# KiCad board Retro.kicad_pcb (continued)
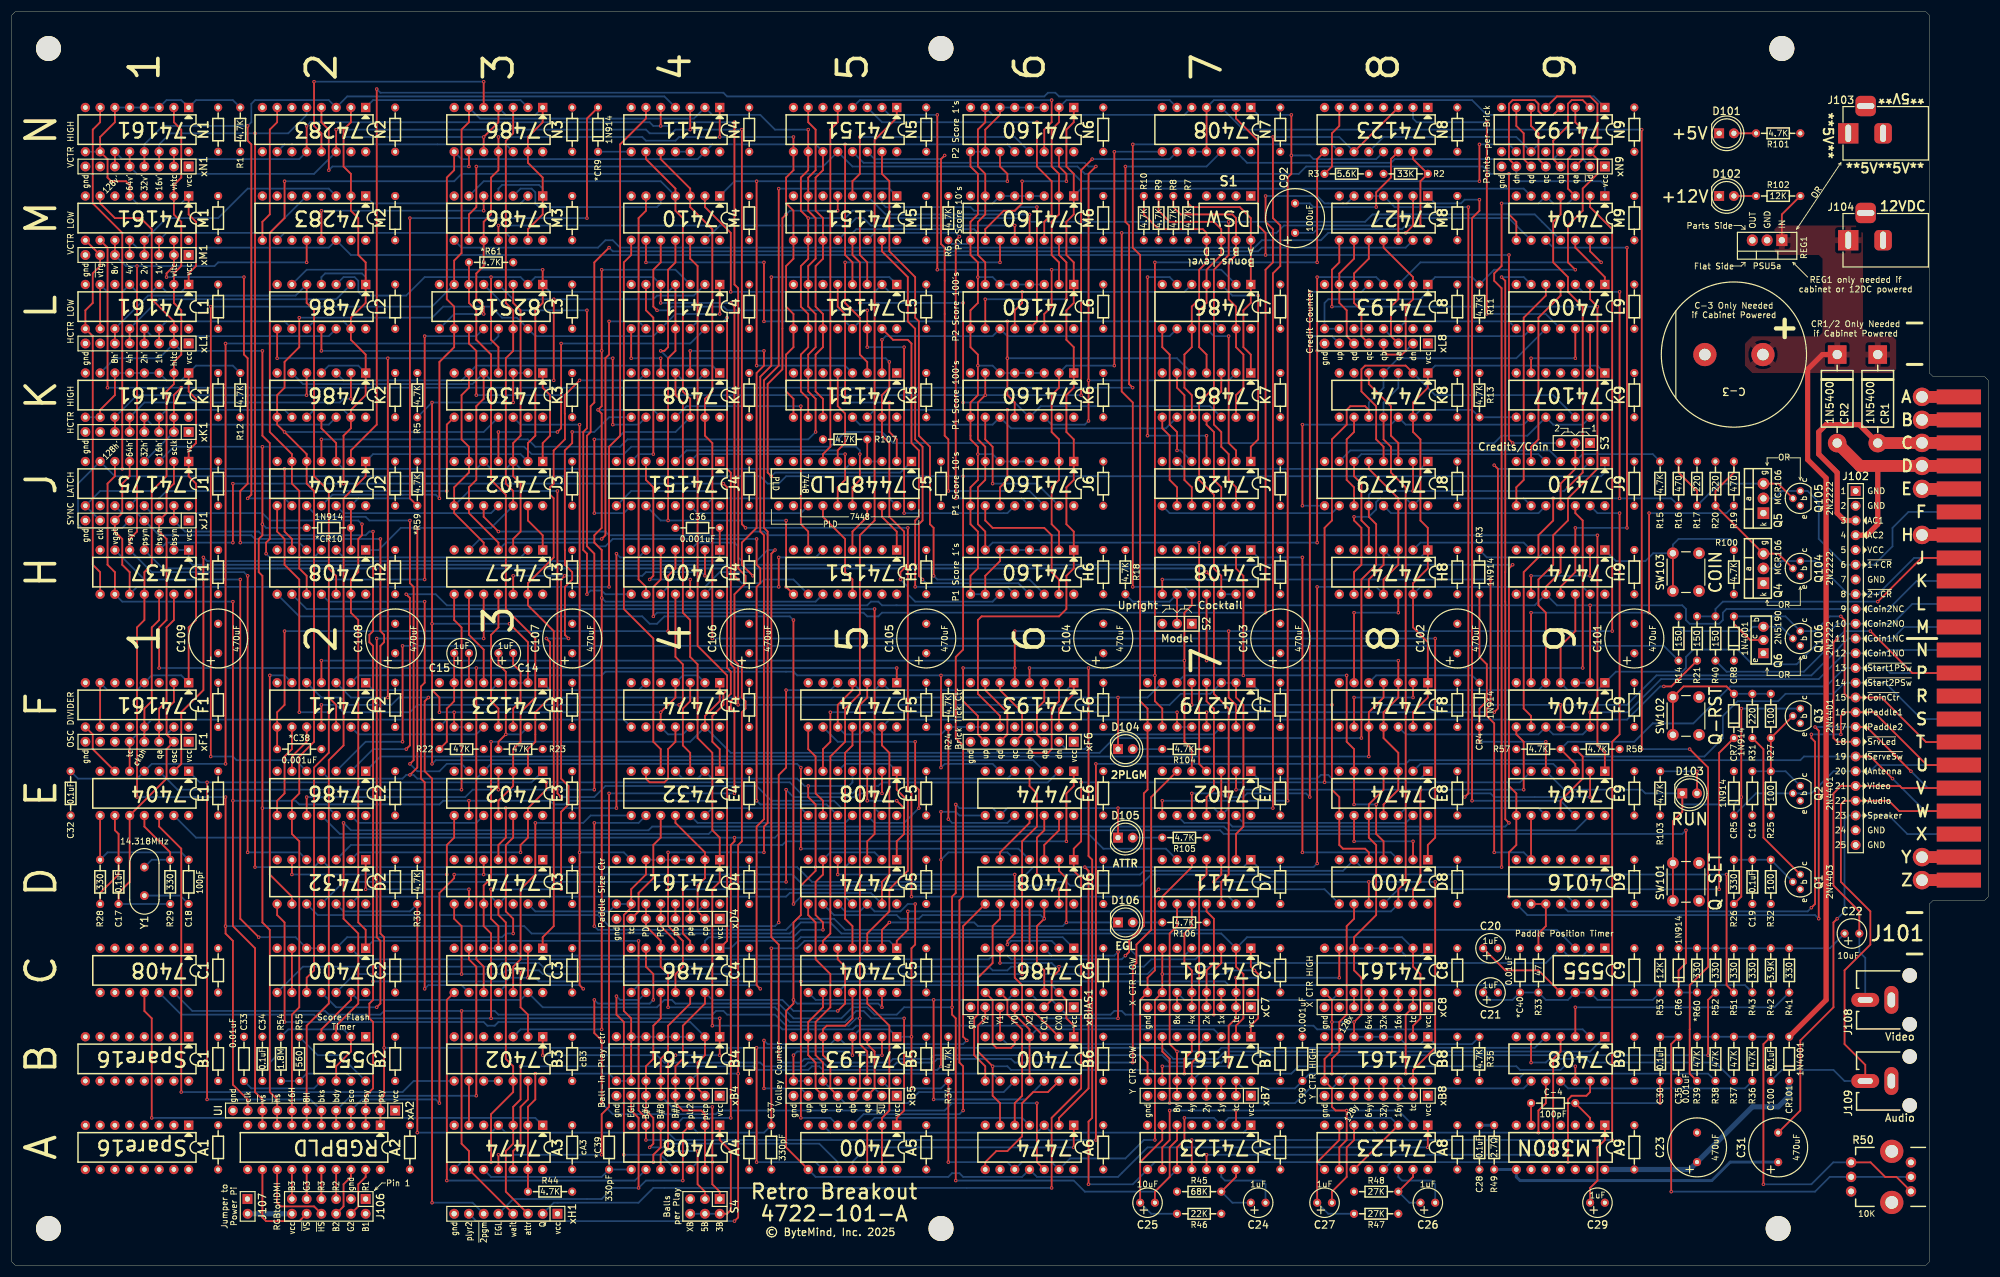
[diagram p0: board, top side]
## Library data of the parts
*C38-*C40 C14-C37 C92 C99-C109 C-3 C-4 cA1-cA9 cB1-cB9 cC1-cC9 cD2-cD9 cE1-cE9 cF1-cF9 cH1-cH9 cJ1-cJ9 cK1-cK9 cL1-cL9 cM1-cM6 cM8 cM9 cN1-cN9 = -: ki_fp_filters: CP_*
*CR9 *CR10 CR1 CR2 CR6 CR8 CR101 = -: ki_fp_filters: TO-???* *_Diode_* *SingleDiode* D_*
*R59-*R61 R1-R3 R5-R49 R51-R55 R57 R58 R100-R107 = -: ki_fp_filters: R_*
A2 = -: Description: ATF16V8B Programmed with BreakoutRGB for RGBtoHDMI
A3 A6 D3 D5 E6 E8 F4 F5 F8 H8 H9 K8 = -: Description: Dual D-Type Flip-Flop; Val: '74; ki_fp_filters: DIP*W7.62mm*
A4 B9 C1 D6 E5 H2 H7 K4 N7 = -: Description: Quad AND Gate; Val: '08; ki_fp_filters: DIP*W7.62mm* SO14*
A5 B6 C2 C3 D8 H4 L9 = -: Description: Quad NAND Gate; Val: '00; ki_fp_filters: DIP*W7.62mm* SO14*
A7 A8 F3 N8 = -: Description: Dual One-Shot; ki_fp_filters: DIP?16*
A9 = -: ki_fp_filters: DIP*W7.62mm*
B2 C9 = -: Description: Timer; ki_fp_filters: SOIC*3.9x4.9mm*P1.27mm*
B3 E3 E7 J3 = -: Description: Quad NOR Gate; Val: '02; ki_fp_filters: SO14* DIP*W7.62mm*
B4 B7 B8 C7 C8 D4 F1 K1 L1 M1 N1 = -: Description: 4-Bit Synchronous Binary Counter
B5 F6 L8 = -: Description: 4-Bit Up/Down Binary Counter
C4 C6 E2 K2 K7 L2 L7 M3 N3 = -: Description: Quad XOR Gate; Val: '86; ki_fp_filters: SO14* DIP*W7.62mm*
C5 E1 E9 F9 J2 M9 = -: Description: Hex Inverter; Val: '04; ki_fp_filters: DIP*W7.62mm* SSOP?14* TSSOP?14*
CR3-CR5 CR7 = -: ki_fp_filters: D*DO?35*
D2 E4 = -: Description: Quad OR; Val: '32; ki_fp_filters: SO14* DIP*W7.62mm*
D7 F2 L4 N4 = -: Description: Triple 3-Input AND; Val: '11; ki_fp_filters: DIP*W7.62mm*
D9 = -: Description: Quad Analog Switch; ki_fp_filters: DIP?14*
D101-D106 = -: ki_fp_filters: LED* LED_SMD:* LED_THT:*
F7 J8 = -: Description: Quad S/R Latch; Val: '279; ki_fp_filters: DIP*W7.62mm* SOIC*3.9x9.9mm*P1.27mm* SOIC*5.3x10.2mm*P1.27mm*
H1 = -: Description: Quad NAND Driver; Val: '37; ki_fp_filters: DIP*W7.62mm* SO14*
H3 M8 = -: Description: Triple 3-Input NOR; Val: '27; ki_fp_filters: DIP*W7.62mm*
H5 J4 K5 L5 M5 N5 = -: Description: 8-to-1 Mux
H6 J6 K6 L6 M6 N6 = -: Description: 4-Bit Synchronous Decade Counter
Hole1-Hole6 = -: Description: Mounting Hole without connection; ki_fp_filters: MountingHole*
J1 = -: Description: 4-Bit F-Type Flip-Flop; ki_fp_filters: DIP?16*
J5 = -: Description: 7-Segment Decoder either 7448 or ATF16V8B with Rep7448 Code
J7 = -: Description: Dual 4-Input NAND; Val: '20; ki_fp_filters: DIP?12*
J9 M4 = -: Description: Triple 3-Input NAND; Val: '10; ki_fp_filters: DIP*W7.62mm*
J103 J104 = -: ki_fp_filters: BarrelJack*
J106 = -: Description: Generic connector, single row, 01x03, script generated; ki_fp_filters: Connector*:*_1x??_*
J107 S2-S4 xA2 xB4 xB5 xB7 xB8 xBIAS1 xC7 xC8 xD4 xF1 xF6 xH1 xJ1 xK1 xL1 xL8 xM1 xN1 xN9 = -: ki_fp_filters: Connector*:*_1x??_*
J108 J109 = -: ki_fp_filters: Jack*
K3 = -: Description: 8-Input NAND; Val: '30; ki_fp_filters: DIP*W7.62mm*
K9 = -: Description: Dual JK Flip-Flop; Val: '107; ki_fp_filters: DIP*W7.62mm*
L3 = -: Description: 256x1 BiPolar Static RAM
M2 N2 = -: Description: 4-Bit Adder
N9 = -: Description: 4-Bit Up/Down Decade Counter
Q1 = -: Description: PNP transistor, collector/base/emitter
Q2 Q3 Q6 Q104-Q106 = -: Description: NPN transistor, collector/base/emitter
R50 = -: ki_fp_filters: Potentiometer*
REG1 = -: ki_fp_filters: TO?220*
S1 = -: ki_fp_filters: SW?DIP?x4*
Y1 = -: ki_fp_filters: Crystal*

## Footprints (pads in the part's own frame, mm; a bottom-side part is the same pattern mirrored in y, then rotated)
BarrelJack_2.1x5.5mm
  rect 3.5x3.5 hole 1x3: 1(0,0)
  rrect 3x3.5 hole 1x3: 2(-6,0)
  rrect 3.5x3.5 hole 3x1: 3(-3,-4.7)
C_Axial-0.3in
  round 1.4 hole 0.7: 1(-3.81,0)
  oval 1.4x1.4 hole 0.7: 2(3.81,0)
C_Disc-0.3in
  round 1.4 hole 0.7: 1(-3.81,0)
  oval 1.4x1.4 hole 0.7: 2(3.81,0)
Conn_Edge_2x22-0.156in
  rect 7.62x2.54 smd far side: 1(-5.08,41.605) 2(-5.08,37.643) 3(-5.08,33.68) 4(-5.08,29.718) 5(-5.08,25.756) 6(-5.08,21.793) 7(-5.08,17.831) 8(-5.08,13.868) 9(-5.08,9.906) 10(-5.08,5.944) 11(-5.08,1.981) 12(-5.08,-1.981) 13(-5.08,-5.944) 14(-5.08,-9.906) 15(-5.08,-13.868) 16(-5.08,-17.831) 17(-5.08,-21.793) 18(-5.08,-25.756) 19(-5.08,-29.718) 20(-5.08,-33.68) 21(-5.08,-37.643) 22(-5.08,-41.605)
  oval 3.175x3.175 hole 2: A(-11.43,41.605) B(-11.43,37.643) C(-11.43,33.68) D(-11.43,29.718) E(-11.43,25.756) H(-11.43,17.831) Y(-11.43,-37.643) Z(-11.43,-41.605)
  rect 7.62x2.54 smd: A(-5.08,41.605) B(-5.08,37.643) C(-5.08,33.68) D(-5.08,29.718) E(-5.08,25.756) F(-5.08,21.793) H(-5.08,17.831) J(-5.08,13.868) K(-5.08,9.906) L(-5.08,5.944) M(-5.08,1.981) N(-5.08,-1.981) P(-5.08,-5.944) R(-5.08,-9.906) S(-5.08,-13.868) T(-5.08,-17.831) U(-5.08,-21.793) V(-5.08,-25.756) W(-5.08,-29.718) X(-5.08,-33.68) Y(-5.08,-37.643) Z(-5.08,-41.605)
Conn_RNC-CUI-RCJ-045
  round 2.5 hole 2.5 unplated: (-0.85,4.22) (-0.85,-4.2)
  oval 2.4x4.8 hole 1.3x2.6: 1(-4,0)
  oval 4.8x2.4 hole 2.6x1: 2(-8.5,0)
CP_Radial-0.1in-R0.2in
  round 1.4 hole 0.7: 1(-1.27,0) 2(1.27,0)
CP_Radial-0.2in-R0.4in
  round 1.4 hole 0.7: 1(-2.54,0) 2(2.54,0)
CP_Radial-10mm-R35mm
  round 4 hole 2: 1(-5,0) 2(5,0)
Crystal_0.2in_V
  round 1.5 hole 0.8: 1(0,0) 2(4.9,0)
D_Axial-0.3in
  round 1.4 hole 0.7: 1(-3.81,0)
  oval 1.4x1.4 hole 0.7: 2(3.81,0)
DIP-8-0.3in
  rect 1.6x1.6 hole 0.8: 1(0,0)
  oval 1.6x1.6 hole 0.8: 2(0,-2.54) 3(0,-5.08) 4(0,-7.62) 5(7.62,-7.62) 6(7.62,-5.08) 7(7.62,-2.54) 8(7.62,0)
DIP-14-0.3in
  rect 1.6x1.6 hole 0.8: 1(0,0)
  oval 1.6x1.6 hole 0.8: 2(0,-2.54) 3(0,-5.08) 4(0,-7.62) 5(0,-10.16) 6(0,-12.7) 7(0,-15.24) 8(7.62,-15.24) 9(7.62,-12.7) 10(7.62,-10.16) 11(7.62,-7.62) 12(7.62,-5.08) 13(7.62,-2.54) 14(7.62,0)
DIP-16-0.3in
  rect 1.6x1.6 hole 0.8: 1(0,0)
  oval 1.6x1.6 hole 0.8: 2(0,-2.54) 3(0,-5.08) 4(0,-7.62) 5(0,-10.16) 6(0,-12.7) 7(0,-15.24) 8(0,-17.78) 9(7.62,-17.78) 10(7.62,-15.24) 11(7.62,-12.7) 12(7.62,-10.16) 13(7.62,-7.62) 14(7.62,-5.08) 15(7.62,-2.54) 16(7.62,0)
DIP-20-0.3in
  rect 1.6x1.6 hole 0.8: 1(0,0)
  oval 1.6x1.6 hole 0.8: 2(0,-2.54) 3(0,-5.08) 4(0,-7.62) 5(0,-10.16) 6(0,-12.7) 7(0,-15.24) 8(0,-17.78) 9(0,-20.32) 10(0,-22.86) 11(7.62,-22.86) 12(7.62,-20.32) 13(7.62,-17.78) 14(7.62,-15.24) 15(7.62,-12.7) 16(7.62,-10.16) 17(7.62,-7.62) 18(7.62,-5.08) 19(7.62,-2.54) 20(7.62,0)
DO-201_0.6in_H
  rect 3.2x3.2 hole 1.6: 1(-7.62,0)
  oval 3.2x3.2 hole 1.6: 2(7.62,0)
Head_1x2_0.1in
  rect 1.7x1.7 hole 0.9: 1(-0.035,0)
  oval 1.7x1.7 hole 0.9: 2(0,-2.54)
Head_1x3_0.1in
  rect 1.7x1.7 hole 0.9: 1(0,0)
  oval 1.7x1.7 hole 0.9: 2(0,-2.54) 3(0,-5.08)
Head_1x8-0.1in
  rect 1.7x1.7 hole 0.9: 1(0,0)
  oval 1.7x1.7 hole 0.9: 2(0,-2.54) 3(0,-5.08) 4(0,-7.62) 5(0,-10.16) 6(0,-12.7) 7(0,-15.24) 8(0,-17.78)
Head_1x12-0.1in
  rect 1.7x1.7 hole 0.9: 1(0,0)
  oval 1.7x1.7 hole 0.9: 2(0,-2.54) 3(0,-5.08) 4(0,-7.62) 5(0,-10.16) 6(0,-12.7) 7(0,-15.24) 8(0,-17.78) 9(0,-20.32) 10(0,-22.86) 11(0,-25.4) 12(0,-27.94)
Head_1x25-0.1in
  rect 1.7x1.7 hole 1: 1(0,0)
  oval 1.7x1.7 hole 1: 2(0,-2.54) 3(0,-5.08) 4(0,-7.62) 5(0,-10.16) 6(0,-12.7) 7(0,-15.24) 8(0,-17.78) 9(0,-20.32) 10(0,-22.86) 11(0,-25.4) 12(0,-27.94) 13(0,-30.48) 14(0,-33.02) 15(0,-35.56) 16(0,-38.1) 17(0,-40.64) 18(0,-43.18) 19(0,-45.72) 20(0,-48.26) 21(0,-50.8) 22(0,-53.34) 23(0,-55.88) 24(0,-58.42) 25(0,-60.96)
Head_2x3-0.1in
  rect 1.7x1.7 hole 0.9: 1(0,0)
  oval 1.7x1.7 hole 0.9: 2(2.54,0) 3(0,-2.54) 4(2.54,-2.54) 5(0,-5.08) 6(2.54,-5.08)
Head_2x6-0.1in
  rect 1.7x1.7 hole 0.9: 1(0,0)
  oval 1.7x1.7 hole 0.9: 2(2.54,0) 3(0,-2.54) 4(2.54,-2.54) 5(0,-5.08) 6(2.54,-5.08) 7(0,-7.62) 8(2.54,-7.62) 9(0,-10.16) 10(2.54,-10.16) 11(0,-12.7) 12(2.54,-12.7)
Hole_4.3mm-M4
  round 4.3 hole 4.3 unplated: (0,0)
LED_D5.0mm_Green
  rect 1.7x1.7 hole 0.9: 1(-1.27,0)
  round 1.7 hole 0.9: 2(1.27,0)
LED_D5.0mm_Red
  rect 1.7x1.7 hole 0.9: 1(-1.27,0)
  round 1.7 hole 0.9: 2(1.27,0)
R_Axial-0.3in
  round 1.4 hole 0.7: 1(-3.81,0)
  oval 1.4x1.4 hole 0.7: 2(3.81,0)
R_POT-Bourns-PTV09A-1-V
  round 4 hole 2.2 unplated: (3.3,4.4) (3.3,-4.4)
  round 1.8 hole 1: 1(0,-2.5) 1(10.3,2.5) 2(0,0) 2(10.3,0) 3(0,2.5) 3(10.3,-2.5)
SW_DIP-SPSTx4
  rect 1.6x1.6 hole 0.8: 1(0,0)
  oval 1.6x1.6 hole 0.8: 2(0,-2.54) 3(0,-5.08) 4(0,-7.62) 5(7.62,-7.62) 6(7.62,-5.08) 7(7.62,-2.54) 8(7.62,0)
SW_TACT-6.5x4.5mm
  round 2 hole 1.1: 1(-3.25,2.25) 1(3.25,2.25) 2(-3.25,-2.25) 2(3.25,-2.25)
TO-92
  round 1.3 hole 0.75: 1(0,0) 2(1.27,1.27) 3(2.54,0)
TO-126-3_V
  rect 1.71x1.8 hole 1: 1(0,0)
  oval 1.71x1.8 hole 1: 2(2.28,0) 3(4.56,0)
TO-220-3_V
  rect 1.905x2 hole 1.1: 1(0,0)
  oval 1.905x2 hole 1.1: 2(2.54,0) 3(5.08,0)
TO-225AA-3_V
  rect 2x2 hole 1.1: 1(0,0)
  oval 2x2 hole 1.1: 2(2.54,0) 3(5.08,0)

## Nets
1V': M1.14 M2.5 xM1.3
2V: M3.3 M4.5
2V': M1.13 M2.3 xM1.4
4V: J4.10 K4.12 M3.6 M4.4 N4.9
4V': M1.12 M2.14 N7.2 S3.3 xM1.5
8V: D8.1 J4.9 K4.13 M3.11 M4.3 N4.10
8V': D2.5 H1.5 M1.11 M2.12 xM1.6
16V: J2.11 K5.11 L3.10 L5.11 M5.11 N3.8 N4.13 N5.11
16V': A6.2 D2.4 D7.1 H8.3 H8.11 J8.5 J8.14 N1.14 N2.5 xN1.3
32V: D6.4 E2.4 E3.5 H2.1 J3.12 L3.14 N3.3
32V': J2.9 N1.13 N2.3 N4.4 xN1.4
64V: E2.5 H7.12 H7.13 K5.10 L3.7 L5.10 M5.10 M9.11 N3.6 N4.2 N5.10
64V1: E8.3 E8.11 F8.3 F8.11 H7.11
64V': D7.13 N1.12 N2.14 N4.3 xN1.5
128V: K5.9 L3.9 L5.9 M3.10 M5.9 N3.11 N4.1 N5.9
128V': D7.2 F7.2 F7.3 N1.11 N2.12 N4.5 xN1.6
/vbus: *R60.1 C22.1 CR6.2 R41.2 R42.2 R43.1 R51.1 R52.2
GND: *C38.2 *C39.2 *C40.2 A1.8 A2.10 A3.7 A4.7 A5.7 A6.7 A7.8 A8.8 A9.3 A9.4 A9.5 A9.7 A9.10 A9.11 A9.12 B1.8 B2.1 B3.7 B4.8 B5.8 B6.7 B7.6 B7.8 B8.8 B9.7 C1.7 C2.7 C3.7 C4.7 C5.7 C6.7 C7.6 C7.8 C8.8 C9.1 C16.2 C20.2 C21.2 C23.2 C28.2 C29.2 C32.2 C33.2 C34.2 C35.2 C36.2 C37.2 C99.2 C101.2 C102.2 C103.2 C104.2 C105.2 C106.2 C107.2 C108.2 C109.2 C-3.2 cA1.2 cA2.2 cA3.2 cA4.2 cA5.2 cA6.2 cA7.2 cA8.2 cA9.2 cB1.2 cB2.2 cB3.2 cB4.2 cB5.2 cB6.2 cB7.2 cB8.2 cB9.2 cC1.2 cC2.2 cC3.2 cC4.2 cC5.2 cC6.2 cC7.2 cC8.2 cC9.2 cD2.2 cD3.2 cD4.2 cD5.2 cD6.2 cD7.2 cD8.2 cD9.2 cE1.2 cE2.2 cE3.2 cE4.2 cE5.2 cE6.2 cE7.2 cE8.2 cE9.2 cF1.2 cF2.2 cF3.2 cF4.2 cF5.2 cF6.2 cF7.2 cF8.2 cF9.2 cH1.2 cH2.2 cH3.2 cH4.2 cH5.2 cH6.2 cH7.2 cH8.2 cH9.2 cJ1.2 cJ2.2 cJ3.2 cJ4.2 cJ5.2 cJ6.2 cJ7.2 cJ8.2 cJ9.2 cK1.2 cK2.2 cK3.2 cK4.2 cK5.2 cK6.2 cK7.2 cK8.2 cK9.2 cL1.2 cL2.2 cL3.2 cL4.2 cL5.2 cL6.2 cL7.2 cL8.2 cL9.2 cM1.2 cM2.2 cM3.2 cM4.2 cM5.2 cM6.2 cM8.2 cM9.2 cN1.2 cN2.2 cN3.2 cN4.2 cN5.2 cN6.2 cN7.2 cN8.2 cN9.2 CR5.2 D2.7 D3.1 D3.2 D3.3 D3.7 D3.12 D4.8 D5.7 D6.7 D7.7 D8.7 D9.7 D101.1 D102.1 E1.7 E2.7 E3.7 E4.7 E5.7 E6.7 E7.7 E8.7 E9.7 F1.3 F1.5 F1.6 F1.8 F2.7 F3.8 F4.7 F5.7 F6.8 F6.14 F7.8 F8.7 F9.7 H1.7 H2.7 H3.7 H4.7 H5.2 H5.3 H5.8 H5.12 H5.14 H5.15 H6.8 H7.7 H8.7 H9.7 J1.8 J2.7 J3.7 J4.1 J4.2 J4.8 J4.12 J4.13 J5.8 J5.10 J6.8 J7.7 J8.8 J9.7 J101.1 J101.2 J101.7 J101.21 J101.22 J101.A J101.B J101.H J101.Y J101.Z J102.1 J102.2 J102.7 J102.24 J102.25 J103.2 J104.2 J106.1 J106.2 J106.3 J108.1 J109.1 K1.8 K2.7 K3.7 K4.7 K5.1 K5.8 K5.12 K6.8 K7.7 K8.7 K9.4 K9.7 K9.11 L1.4 L1.6 L1.8 L2.7 L3.8 L4.7 L5.8 L5.12 L6.8 L7.7 L8.8 L8.15 L9.7 M1.3 M1.4 M1.6 M1.8 M2.6 M2.7 M2.8 M2.11 M2.15 M3.7 M4.7 M5.8 M6.8 M8.7 M9.7 N1.8 N2.6 N2.8 N2.11 N2.15 N3.7 N4.7 N5.8 N6.8 N7.7 N8.1 N8.8 N9.8 N9.9 Q2.1 Q3.1 Q4.1 Q5.1 Q6.1 Q104.1 Q105.1 Q106.1 R17.2 R20.2 R25.2 R50.1 R53.2 REG1.2 S1.1 S1.2 S1.3 S1.4 S2.3 S4.5 SW101.2 SW102.2 SW103.2 xA2.12 xB4.8 xB5.8 xB7.8 xB8.8 xBIAS1.8 xC7.8 xC8.8 xD4.8 xF1.8 xF6.8 xH1.8 xJ1.8 xK1.8 xL1.8 xL8.8 xM1.8 xN1.8 xN9.8
VCC: *R59.2 *R61.1 A1.16 A2.20 A3.14 A4.14 A5.14 A6.14 A7.16 A8.16 B1.16 B2.8 B3.14 B4.16 B5.16 B6.14 B7.16 B8.16 B9.14 C1.14 C2.14 C3.14 C4.14 C5.14 C6.14 C7.16 C8.16 C9.8 C19.1 C101.1 C102.1 C103.1 C104.1 C105.1 C106.1 C107.1 C108.1 C109.1 cA1.1 cA2.1 cA3.1 cA4.1 cA5.1 cA6.1 cA7.1 cA8.1 cB1.1 cB2.1 cB3.1 cB4.1 cB5.1 cB6.1 cB7.1 cB8.1 cB9.1 cC1.1 cC2.1 cC3.1 cC4.1 cC5.1 cC6.1 cC7.1 cC8.1 cC9.1 cD2.1 cD3.1 cD4.1 cD5.1 cD6.1 cD7.1 cD8.1 cD9.1 cE1.1 cE2.1 cE3.1 cE4.1 cE5.1 cE6.1 cE7.1 cE8.1 cE9.1 cF1.1 cF2.1 cF3.1 cF4.1 cF5.1 cF6.1 cF7.1 cF8.1 cF9.1 cH1.1 cH2.1 cH3.1 cH4.1 cH5.1 cH6.1 cH7.1 cH8.1 cH9.1 cJ1.1 cJ2.1 cJ3.1 cJ4.1 cJ5.1 cJ6.1 cJ7.1 cJ8.1 cJ9.1 cK1.1 cK2.1 cK3.1 cK4.1 cK5.1 cK6.1 cK7.1 cK8.1 cK9.1 cL1.1 cL2.1 cL3.1 cL4.1 cL5.1 cL6.1 cL7.1 cL8.1 cL9.1 cM1.1 cM2.1 cM3.1 cM4.1 cM5.1 cM6.1 cM8.1 cM9.1 cN1.1 cN2.1 cN3.1 cN4.1 cN5.1 cN6.1 cN7.1 cN8.1 cN9.1 CR8.1 D2.14 D3.14 D4.16 D5.14 D6.14 D7.14 D8.14 D9.14 E1.14 E2.14 E3.14 E4.14 E5.14 E6.14 E7.14 E8.14 E9.14 F1.16 F2.14 F3.16 F4.14 F5.14 F6.16 F7.16 F8.14 F9.14 H1.14 H2.14 H3.14 H4.14 H5.16 H6.16 H7.14 H8.14 H9.14 J1.16 J2.14 J3.14 J4.16 J5.20 J6.16 J7.14 J8.16 J9.14 J101.5 J101.E J102.5 J103.1 J107.1 K1.16 K2.14 K3.14 K4.14 K5.16 K6.16 K7.14 K8.14 K9.14 L1.16 L2.14 L3.16 L4.14 L5.16 L6.16 L7.14 L8.16 L9.14 M1.16 M2.16 M3.14 M4.14 M5.16 M6.16 M8.14 M9.14 N1.16 N2.16 N3.14 N4.14 N5.16 N6.16 N7.14 N8.16 N9.16 Q1.1 R1.2 R2.1 R3.1 R5.2 R6.2 R7.1 R8.1 R9.1 R10.1 R11.2 R12.2 R13.2 R15.1 R18.1 R22.1 R23.1 R24.2 R30.1 R32.1 R34.2 R35.2 R42.1 R44.2 R45.1 R46.1 R47.1 R48.1 R55.1 R57.1 R58.1 R100.1 R101.1 R103.1 R104.1 R105.1 R106.1 R107.1 REG1.3 xA2.1 xB4.1 xB5.1 xB7.1 xB8.1 xBIAS1.1 xC7.1 xC8.1 xD4.1 xF1.1 xF6.1 xH1.1 xJ1.1 xK1.1 xL1.1 xL8.1 xM1.1 xN1.1 xN9.1
1_OR_2_CREDIT: F9.9 L9.3 R16.1
1H: F2.3 K4.9 L2.8
1H': L1.14 L2.9 xL1.3
1x: C7.14 xC7.3
1y: B7.14 xB7.3
2_CR_START: D8.2 E8.9
2_CREDIT: F9.6 R19.1
2H: B3.3 H5.11 K4.10 L2.11 L4.3
2H': L1.13 L2.12 xL1.4
2x: C7.13 D7.11 xC7.4
2y: B7.13 xB7.4
4H: H5.10 K3.4 L2.3 L3.2 L4.5
4H': L1.12 L2.2 xL1.5
4x: C7.12 D7.10 xC7.5
4y: B7.12 B9.12 D7.4 xB7.5
8H: A2.6 H5.9 J2.1 J3.2 J4.11 L2.6 L3.1 L4.4 L4.11 xA2.7
8H': H2.12 L1.11 L2.5 xL1.6
8x: C7.11 C8.10 xC7.6
8y: B7.11 B9.5 D7.9 xB7.6
16H: A2.7 E2.9 J2.5 K2.8 K3.11 L3.15 L4.1 L4.10 xA2.8
16H': K1.14 K2.9 xK1.3
16x: C8.14 xC8.3
16y: B8.14 B9.9 xB8.3
32H: H3.3 J2.3 J3.3 J3.5 J5.5 K2.11 L3.3
32H': K1.13 K2.12 xK1.4
32x: C8.13 xC8.4
32y: B8.13 xB8.4
64H: E5.13 H3.5 J3.6 J3.8 K2.3 K3.6 K4.1
64H': K1.12 K2.2 xK1.5
64x: C8.12 xC8.5
64y: B8.12 xB8.5
128H: E5.10 H3.4 J3.9 K2.6 K3.5 L3.4 L4.2
128H': K1.11 K2.5 xK1.6
128x: C8.11 xC8.6
128y: B8.11 xB8.6
/bp_hit: A5.2 A5.13 C5.12
/LH_SIDE: H3.1 J3.13
/paddle: B9.3 R41.1
/PLAYFIELD: H4.3 R52.1
/RH_SIDE: H2.3 H3.2
/Sheet2/abus: C100.2 R36.1 R37.1 R38.1 R39.1 R50.3
/Sheet2/btb_hit: C5.4 F5.11
/Sheet2/dispA: J5.7 N5.5
/Sheet2/dispB: J5.1 M5.5
/Sheet2/dispC: J5.2 L5.5
/Sheet2/dispD: J5.6 K5.5
/Sheet2/large_pad: E5.9 F5.8
/Sheet2/P2COND': D9.6 E9.9 H7.8
/Sheet2/pad_cep: C3.11 D4.7 K3.12
/Sheet2/pad_v1: D9.9 D9.10 R33.1
/Sheet2/pad_v2: *C40.1 C9.6 C9.7 C21.1 R33.2 R53.1
/Sheet2/PLNR: E2.10 E3.4 M8.13
/Sheet2/SCEN: H4.5 M8.6
/Sheet2/seg_a: H5.4 J5.17
/Sheet2/seg_b: J4.4 J5.16
/Sheet2/seg_c: J4.3 J5.15
/Sheet2/seg_d: H5.13 J5.14
/Sheet2/seg_e: J4.14 J5.13
/Sheet2/seg_f: J4.15 J5.19
/Sheet2/seg_g: H5.1 J5.18
/Sheet2/segs: F2.11 H4.11
/Sheet2/segs_h: H4.12 J4.6
/Sheet2/segs_v: H4.13 H5.6
/Sheet2/SFL: B2.3 E9.13
/Sheet2/small_pad: E5.12 F5.9
/Sheet2/tick_pace: A7.12 J9.13
/Sheet2/~{mod_up}: H7.9 R18.2 S2.2
/Sheet2/~{p2cond}: D9.12 E9.8 H1.1 H1.2
/Sheet2/~{PAD_EN}: C2.8 C9.2 C9.4
/Sheet2/~{SCI}: D3.4 H4.6
/Sheet2/~{SFL}: E9.12 M8.1
/Sheet2/~{TOP}: E9.2 M8.4 M8.5
/Sheet3/coin#1: F8.6 H8.12
/Sheet3/coin#2: H8.2 H9.6
/Sheet3/COIN(credit): E7.9 L9.6
/Sheet3/~{BG1}: J8.11 K8.9
/Sheet3/~{BG2}: J8.3 K8.5
/Sheet3/~{q_off}: C16.1 Q2.3 Q3.2 R25.1 R27.2
/Sheet3/~{q_on}: C19.2 Q1.2 R26.1 R32.2
/Sheet3/~{q_rst}: CR7.2 R27.1 R31.2 SW102.1
/Sheet4/V_UNREG: C-3.1 CR1.1 CR2.1 CR101.2 J104.1 R102.1 REG1.1
/Sheet5/rgbB2: A2.19 J106.4
/Sheet5/rgbB3: A2.14 J106.11
/Sheet5/rgbG2: A2.18 J106.6
/Sheet5/rgbG3: A2.15 J106.9
/Sheet5/rgbR2: A2.17 J106.5
/Sheet5/rgbR3: A2.16 J106.7
/Sheet5/~{rgbHSync}: A2.13 J106.8
/Sheet5/~{rgbVSync}: A2.12 J106.10
/~{boundary}: C3.4 C3.5 H3.12 H4.2
/~{BSYNC}: J1.14
/~{PSYNC}: J1.10
A1: H6.14 N5.15
A2: N5.4 N6.14
AC1: CR1.2 J101.3 J101.C J102.3
AC2: CR2.2 J101.4 J101.D J102.4
Antenna: CR5.1 J101.17 J102.20 Q2.2
ATTRACT: A3.3 D6.5 E6.8 xH1.3
Audio: C100.1 J101.W J102.22 J109.2
B1: H6.13 M5.15
B2: M5.4 N6.13
BALL: A4.4 D7.6 E1.13
BALL#A: A4.2 A4.13 B4.13 C4.13 C5.5 xB4.4
BALL#B: A4.12 B4.12 C4.12 S4.1 xB4.5
BALL#C: B4.11 C4.10 S4.3 xB4.6
BALL_DISPLAY: A4.6 A5.10 C2.1 H2.13 J1.13
bonus_credit: E7.8 N7.1 N8.13
boundary: A2.4 C3.6 xA2.5
bpc_qa: N9.3 xN9.3
bpc_qb: N9.2 xN9.4
bpc_qc: N9.6 xN9.5
bpc_qd: N9.7 xN9.6
BRICK_DISPLAY: A2.5 E1.1 E3.1 xA2.6
BRICK_HIT: D5.3 E6.5 H2.9
BSYNC: A2.2 A5.5 C3.2 J1.15 R43.2 xA2.3 xJ1.2
C1: H6.12 L5.15
C2: L5.4 N6.12
can_hit_brick: C2.2 F7.9 N8.10
cc_dn: H7.3 L8.4 xL8.2
cc_qa: L8.3 M9.13 xL8.3
cc_qb: L8.2 M8.11 xL8.4
cc_qc: L8.6 M8.10 xL8.5
cc_qd: L8.7 M8.9 xL8.6
cc_up: E7.10 L8.5 xL8.7
CKBH: E6.3 F1.13 H1.12 xF1.4
CLOCK: B7.2 B8.2 C7.2 C8.2 H1.11 J1.9 K1.2 L1.2 M1.2 N1.2 xA2.11 xJ1.7
Coin1NC: E2.1 F8.4 F8.10 F9.11 F9.12 J101.11 J102.11
Coin1NO: F8.12 F9.10 F9.13 J101.12 J102.12
Coin2NC: E2.2 F9.2 F9.3 H9.4 H9.10 J101.9 J102.9
Coin2NO: F9.1 F9.4 H9.12 J101.10 J102.10
COUNT: M9.1 N7.4 N7.10 N7.11 N9.4 xN9.7
COUNT_1: H6.2 J6.2 K6.2 N7.8
COUNT_2: L6.2 M6.2 N6.2 N7.6
CX0: C6.11 C7.3 xBIAS1.2
CX1: C6.6 C7.4 xBIAS1.3
D1: H6.11 K5.15 M4.11
D2: K5.4 M4.1 N6.11
DN: C4.3 D6.13
E1: J6.14 N5.14
E2: M6.14 N5.3
EGL: A4.3 C5.1 C37.1 D8.12 K8.3 K8.11 xB4.7 xH1.5
F1: J6.13 M5.14
F2: M5.3 M6.13
FPD1: F3.5 H3.9
FPD2: F3.13 H3.11
FREE_GAME_TONE: N7.3 R39.2
G1: J6.12 L5.14 M4.10
G2: L5.3 M4.13 M6.12
H1: J6.11 K5.14
H2: K5.3 M6.11
hl_tc: H2.4 K1.7 L1.15 M1.7 xL1.2
HSYNC: C3.10 F5.1 J1.2 xJ1.3
I1: K6.14 K7.2 N5.13
I2: L6.14 L7.2 N5.2
J1: K6.13 K7.12 M5.13
J2: L6.13 L7.12 M5.2
K1: K6.12 K7.5 L5.13 M4.9
K2: L5.2 L6.12 L7.5 M4.2
L1: K5.13 K6.11 K7.9
L2: K5.2 L6.11 L7.9
osc: C17.2 E1.10 F1.2 R29.1 xF1.2
osc_qa: F1.14 H1.13 xF1.3
osc_tc: E1.5 F1.15 xF1.5
P1: L1.1 L1.3 L1.5 L1.7 L1.10 M1.1 M1.5 N1.1 N1.3 N1.4 N1.5 N1.6 N1.9 N1.10 R1.1
P2COND: C4.1 C6.1 H1.3 K2.1 K2.4 K2.10 K2.13 L2.1 L2.4 L2.10 L2.13 M2.2 M3.1 M3.4 M3.13 N2.2 N3.1 N3.4 N3.10 N3.13
P5: F3.2 F3.3 F3.10 F3.11 F4.2 F4.4 F4.10 F4.12 K3.2 K3.3 R5.1
P6: H6.3 H6.4 H6.5 H6.6 H6.9 H6.10 J6.3 J6.4 J6.5 J6.6 J6.9 K6.3 K6.4 K6.5 K6.6 K6.9 L6.3 L6.4 L6.5 L6.6 L6.9 M6.3 M6.4 M6.5 M6.6 M6.9 N6.3 N6.4 N6.5 N6.6 N6.9 N6.10 R6.1
P11: L8.1 L8.9 L8.10 N9.5 N9.15 R11.1
P12: F1.1 F1.4 F1.7 F1.10 J1.1 K1.1 K1.3 K1.4 K1.5 K1.6 K1.9 K1.10 R12.1
P13: F8.1 F8.13 H8.1 H8.4 H8.10 H8.13 H9.13 K8.1 K8.13 K9.1 K9.8 R13.1
P24: E6.10 F5.2 F5.4 F5.10 F5.12 F6.1 F6.9 F6.10 F6.15 R24.1
P34: A6.10 A6.13 B5.1 B5.4 B5.9 B5.10 B5.15 B7.1 C7.1 C7.7 C7.10 D5.10 D5.12 R34.1
P35: A7.2 A7.10 A8.2 A8.10 B8.1 B8.3 B8.4 B8.5 B8.6 B8.9 C8.1 C8.3 C8.4 C8.5 C8.6 C8.9 E8.4 E8.10 R35.1
P44: A3.2 A3.13 B4.3 B4.4 B4.5 B4.6 B4.7 B4.9 B4.10 D3.13 D4.3 D4.4 D4.5 D4.6 D4.9 D4.10 R44.1
pad_cp: D4.2 E4.11 xD4.2
pad_pa: D4.14 xD4.3
pad_pb: D4.13 xD4.4
pad_tc: D4.15 E4.10 xD4.7
Paddle1: D9.11 J101.U J102.16
Paddle2: D9.8 J101.18 J102.17
PC: C4.4 D4.12 xD4.5
PD: A5.1 C4.5 D4.11 xD4.6
PLAY_CP: B4.2 D2.8 xB4.2
PLAYER_2: B4.14 E7.5 F2.4 H7.10 L6.7 M5.12 M6.7 M9.9 N6.7 N7.5 xB4.3 xH1.7
PSYNC: A2.1 A5.9 B9.1 J1.11 xA2.2 xJ1.4
Q: D6.1 E9.6 K8.4 K8.10 L9.10 xH1.2
RAM_PLAYER_1: E7.4 H6.7 J6.7 K6.7 L3.11 N7.9
SCLOCK: J1.4 K1.15 M1.10 N7.12 xK1.2
SCORE: A2.3 D3.5 R51.2 xA2.4
SERVE_WAIT: A3.9 B5.14 C1.13 F5.3 xH1.4
SET_BRICKS: D2.1 D3.9
Speaker: C31.2 J101.20 J102.23
START_GAME: D8.6 E6.12 M9.3 M9.5 N9.14
tick_dn: A7.9 A8.9 F6.4 J9.12 xF6.2
tick_qa: F6.3 xF6.3
tick_qb: F6.2 xF6.4
tick_qc: F6.6 xF6.5
tick_qd: F6.7 xF6.6
tick_up: F6.5 F7.15 M9.2 xF6.7
TOP_BOUND: C3.1 H3.13 K4.6
V_AMP: A9.14 C23.1 cA9.1 CR101.1
vgate: H1.10 J1.5 N4.6 xJ1.6
vh_tc: N1.15 xN1.2
Video: C22.2 J101.V J102.21 J108.2
vl_tc: H2.5 M1.15 xM1.2
vol_ctr_qa: B5.3 xB5.3
vol_ctr_qb: B5.2 xB5.4
vol_ctr_qc: B5.6 B6.10 C5.11 xB5.5
vol_ctr_qd: B5.7 B6.9 C5.9 xB5.6
vol_ctr_up: B5.5 D6.8 xB5.7
VSLOW: B6.12 C5.8 C6.10
VSYNC: A5.4 J1.7 J9.1 xJ1.5
X0: B6.1 C5.10 C6.13
X1: B6.3 C6.5
X2: B6.2 C6.3 C7.5 xBIAS1.4
xh_tc: B7.7 B8.10 C8.15 xC8.2
xl_tc: B7.10 C7.15 C8.7 xC7.2
Y0: B6.4 B6.11 B7.3 xBIAS1.5
Y1: B6.6 B7.4 xBIAS1.6
Y2: A6.6 B7.5 xBIAS1.7
yh_tc: B8.15 D7.3 D8.10 xB8.2
yl_tc: B7.15 B8.7 C99.1 D8.9 xB7.2
~{1+Credit}: J101.6 J102.6 Q5.2 Q105.3
~{1_CR_START}: D8.4 E8.6 F7.6 H7.2
~{1_OR_2_CREDIT}: D8.13 E7.2 F9.8
~{2+Credits}: J101.8 J102.8 Q4.2 Q104.3
~{2_CR_START}: D8.5 E8.8 F7.5
~{2_CREDIT}: F7.1 F9.5 L9.2 M8.8
~{2_PLGM}: D104.1 F2.5 F7.7 xH1.6
~{8H}: J2.2 N9.1
~{16H}: H2.10 J2.6 N9.10
~{16V}: E3.6 J2.10
~{32H}: J2.4 K5.7 L5.7 M5.7 N5.7
~{64V}: H9.3 H9.11 M9.10
~{ATTRACT}: A7.3 A7.11 A8.3 A8.11 B2.4 C2.13 C3.13 D105.1 E6.9 E7.3 E7.12 N8.3 N8.11
~{BP_HIT}: A5.8 A6.11 A8.1 C5.13 D5.4 E4.2 E4.4 E5.4
~{bpc_ld}: N8.12 N9.11 xN9.2
~{BRICK_DISPLAY}: C36.1 E1.2 H4.1
~{BRICK_HIT}: E6.6 F2.2 F7.10 N8.9
~{BTB_HIT}: C3.3 C5.3 E5.1 E5.5
~{COIN#1}: CR4.1 F8.5
~{COIN#2}: CR3.1 H9.5
~{CoinCtr}: CR8.2 J101.T J102.15 Q6.2 Q106.3
~{EGL}: C5.2 D6.2 D106.1
~{FPD1}: F2.13 F3.12
~{FPD2}: F2.1 F3.4
~{HSYNC}: *CR10.1 A2.8 E2.12 J1.3 K9.10 K9.13 xA2.9
~{PAD}: J1.12 K3.8
~{PLAYER_2}: M3.9 M9.8 N5.12
~{Q}: CR3.2 CR4.2 D103.1 E9.5 Q3.3 R26.2 SW101.1
~{SBD}: D2.11 E5.2
~{SERVE_WAIT}: A3.8 A4.5 B3.12 D2.13 D3.11 D5.13 F5.13 R21.2
~{ServeSw}: A3.4 D2.12 J101.19 J102.19 R30.2
~{SET_BRICKS}: B3.2 C2.12 D3.8 E6.4
~{SrvLeds}: J101.J R21.1 R40.2
~{SrvLed}: J101.P J102.18 R40.1
~{Start1PSw}: E9.3 J101.13 J102.13 R57.2
~{Start2PSw}: E9.11 J101.15 J102.14 R58.2
~{START_GAME_1}: A4.10 B4.1 C1.12 D3.10 F4.1 F4.13 J8.2 J8.12 M9.4
~{START_GAME}: F6.11 H6.1 J6.1 K6.1 L6.1 M6.1 M9.6 N6.1
~{SU}: B5.11 D5.8 xB5.2
~{VB_HIT}: A5.6 A6.3 A7.1
~{VERT_TRIG}: H1.8 L1.9 M1.9 xM1.7
~{VSYNC}: A2.9 B9.2 D4.1 E3.9 H1.9 J1.6 K4.2 K4.4 xA2.10
Net-(*C38-Pad1): *C38.1 F2.8 H4.4
Net-(*CR9-K): *CR9.1 N4.8
Net-(*CR10-A): *CR9.2 *CR10.2 *R59.1 H2.2 J2.13
Net-(A3A-~{Q}): A3.6 B3.9
Net-(A3A-~{R}): A3.1 C1.11
Net-(A3B-C): A3.11 L4.12
Net-(A3B-D): A3.12 B3.13
Net-(A3B-~{S}): *C39.1 A3.10 A4.8
Net-(A4-Pad1): A4.1 S4.2 S4.4 S4.6
Net-(A4-Pad9): A4.9 C3.8
Net-(A4-Pad11): A4.11 C4.9
Net-(A6A-Q): A6.5 C6.9
Net-(A6A-~{R}): A5.11 A6.1
Net-(A6A-~{S}): A5.3 A5.12 A6.4
Net-(A6B-D): A6.12 C4.6
Net-(A6B-~{Q}): A6.8 B6.13
Net-(A7A-Cx): A7.14 C24.2
Net-(A7A-Q): A7.13 B9.4
Net-(A7A-RCx): A7.15 C24.1 R45.2
Net-(A7B-Cx): A7.6 C25.2
Net-(A7B-RCx): A7.7 C25.1 R46.2
Net-(A8A-Cx): A8.14 C26.2
Net-(A8A-Q): A8.13 B9.13
Net-(A8A-RCx): A8.15 C26.1 R48.2
Net-(A8B-Cx): A8.6 C27.2
Net-(A8B-Q): A8.5 B9.10
Net-(A8B-RCx): A8.7 C27.1 R47.2
Net-(A9-Pad8): A9.8 C31.1 R49.1
Net-(A9A-+): A9.2 C30.1 C-4.1
Net-(A9A--): A9.6 C-4.2
Net-(A9A-BYPASS): A9.1 C29.1
Net-(B2A-CV): B2.5 C33.1
Net-(B2A-DIS): B2.7 R54.1 R55.2
Net-(B2A-THR): B2.2 B2.6 C34.1 R54.2
Net-(B3-Pad1): B3.1 E7.6
Net-(B3-Pad8): B3.8 E1.12
Net-(B3-Pad10): B3.10 B3.11
Net-(B6-Pad5): B6.5 C6.8
Net-(B6-Pad8): B6.8 D6.9
Net-(B7A-~{PE}): B7.9 C7.9 D8.8
Net-(B9-Pad6): B9.6 R37.2
Net-(B9-Pad8): B9.8 R38.2
Net-(B9-Pad11): B9.11 R36.2
Net-(C2-Pad3): C2.3 E3.12
Net-(C2-Pad4): C2.4 C2.5 H1.6
Net-(C2-Pad6): C2.6 C2.9
Net-(C2-Pad10): C2.10 J2.8
Net-(C2-Pad11): C2.11 H3.10
Net-(C3-Pad9): C3.9 H2.11
Net-(C3-Pad12): C3.12 E4.8
Net-(C6-Pad4): C6.4 D6.11
Net-(C9A-CV): C9.5 C20.1
Net-(C9A-Q): C9.3 E4.9
Net-(C17-Pad1): C17.1 E1.9 R28.2
Net-(C18-Pad1): C18.1 E1.8 R28.1
Net-(C18-Pad2): C18.2 Y1.2
Net-(C28-Pad1): C28.1 R49.2
Net-(C30-Pad2): C30.2 C35.1 R50.2
Net-(CR6-K): *R60.2 CR6.1 E2.11
Net-(CR7-K): CR7.1 D8.11
Net-(D2-Pad6): D2.6 E3.8
Net-(D2-Pad9): D2.9 F2.6
Net-(D5A-D): C4.2 D5.2 D5.6
Net-(D5A-Q): C6.2 D5.5 D6.10
Net-(D5A-~{R}): D5.1 E5.3
Net-(D5B-C): D5.11 H2.8
Net-(D5B-Q): C6.12 D5.9 D6.12
Net-(D7-Pad5): D7.5 D7.8
Net-(D7-Pad12): D7.12 H1.4
Net-(D8-Pad3): D8.3 H7.1
Net-(D101-A): D101.2 R101.2
Net-(D102-A): D102.2 R102.2
Net-(D103-A): D103.2 R103.2
Net-(D104-A): D104.2 R104.2
Net-(D105-A): D105.2 R105.2
Net-(D106-A): D106.2 R106.2
Net-(E1-Pad3): E1.3 H3.8
Net-(E1-Pad11): E1.11 R29.2 Y1.1
Net-(E2-Pad3): E2.3 R14.1
Net-(E2-Pad6): E2.6 F2.10
Net-(E2-Pad8): E2.8 F2.9
Net-(E2-Pad13): E2.13 E3.10
Net-(E3-Pad2): E3.2 K4.8
Net-(E4-Pad1): E4.1 M4.12
Net-(E4-Pad5): E4.5 M4.8
Net-(E4-Pad12): E4.12 E5.11
Net-(E4-Pad13): E4.13 E5.8
Net-(E5-Pad6): E5.6 F7.11 F7.12
Net-(E6A-D): D2.2 E3.13 E6.2
Net-(E6A-~{R}): D2.3 E6.1
Net-(E6B-C): D6.6 E6.11
Net-(E6B-~{R}): D6.3 E6.13
Net-(E8A-D): E8.2 E9.4
Net-(E8A-~{R}): E7.1 E8.1
Net-(E8B-D): E8.12 E9.10
Net-(E8B-~{R}): E7.13 E8.13
Net-(E9-Pad1): E9.1 J3.10
Net-(F1A-~{PE}): E1.6 F1.9
Net-(F3A-Cx): C14.2 F3.14
Net-(F3A-RCx): C14.1 F3.15 R23.2
Net-(F3A-~{A}): F3.1 F4.6
Net-(F3B-Cx): C15.2 F3.6
Net-(F3B-RCx): C15.1 F3.7 R22.2
Net-(F3B-~{A}): F3.9 F4.8
Net-(F4A-C): E4.3 F4.3
Net-(F4B-C): E4.6 F4.11
Net-(F5A-Q): D2.10 F5.5
Net-(F6A-!BO): F6.13 F7.14
Net-(F7A-Q): E7.11 F7.4
Net-(F7D-Q): F7.13 J9.2
Net-(F8A-D): F8.2 F8.9
Net-(H3-Pad6): H3.6 L4.9
Net-(H4-Pad9): H4.9 M4.6
Net-(H4-Pad10): H4.10 K4.3
Net-(H5A-E): H5.7 K4.11
Net-(H6A-TC): H6.15 J6.10
Net-(H8A-Q): H8.5 J8.6 J9.5
Net-(H8B-Q): H8.9 J8.15 J9.9
Net-(H9A-D): H9.2 H9.9
Net-(H9A-~{R}): H9.1 R100.2 SW103.1
Net-(J2-Pad12): J2.12 J3.11
Net-(J3-Pad1): J3.1 K3.1
Net-(J3-Pad4): J3.4 L4.13
Net-(J4A-E): J4.7 L4.6
Net-(J5A-BI/RBO): J5.3 J5.4 R107.2
Net-(J6A-TC): J6.15 K6.10
Net-(J7-Pad1): J7.1 L7.3
Net-(J7-Pad2): J7.2 L7.11
Net-(J7-Pad4): J7.4 L7.6
Net-(J7-Pad5): J7.5 L7.8
Net-(J7-Pad9): J7.9 K7.8
Net-(J7-Pad10): J7.10 K7.6
Net-(J7-Pad12): J7.12 K7.11
Net-(J7-Pad13): J7.13 K7.3
Net-(J8A-Q): J8.4 K8.2 K9.12
Net-(J8A-~{R}): J7.6 J8.1
Net-(J8B-Q): J8.7 J9.4
Net-(J8C-Q): J8.9 K8.12 K9.9
Net-(J8C-~{R}): J7.8 J8.10
Net-(J8D-Q): J8.13 J9.10
Net-(J9-Pad6): J9.6 L9.4
Net-(J9-Pad8): J9.8 L9.5
Net-(J9-Pad11): J9.3 J9.11 R15.2 S3.2
Net-(J106-VCC): J106.12 J107.2
Net-(K4-Pad5): K4.5 L4.8
Net-(K7-Pad1): K7.1 L7.1 R7.2 S1.8
Net-(K7-Pad4): K7.4 L7.4 R9.2 S1.6
Net-(K7-Pad10): K7.10 L7.10 R10.2 S1.5
Net-(K7-Pad13): K7.13 L7.13 R8.2 S1.7
Net-(K9A-~{Q}): K9.2 L9.13
Net-(K9B-~{Q}): K9.6 L9.12
Net-(L3A-DIN): C32.1 E1.4 L3.13
Net-(L3A-~{CE3}): H4.8 L3.5
Net-(L3A-~{DOUT}): *R61.2 E3.3 E3.11 L3.6
Net-(L3A-~{WE}): F2.12 L3.12
Net-(L5A-I3): C4.8 L5.1
Net-(L6A-CET): L6.10 M6.15
Net-(L8A-!BO): L8.13 L9.9
Net-(L8A-!CO): L8.11 L8.12
Net-(L8A-CL): L8.14 L9.8
Net-(L9-Pad1): L9.1 M9.12
Net-(M2A-C4): M2.9 N2.7
Net-(M2A-S2): M2.1 M3.2
Net-(M2A-S3): M2.13 M3.5
Net-(M2A-S4): M2.10 M3.12
Net-(M3-Pad8): M3.8 M8.2
Net-(M5A-I3): C4.11 M5.1
Net-(M6A-CET): M6.10 N6.15
Net-(M8-Pad12): M8.3 M8.12
Net-(N1A-CEP): H2.6 N1.7
Net-(N2A-S1): N2.4 N3.9
Net-(N2A-S2): N2.1 N3.2
Net-(N2A-S3): N2.13 N3.5
Net-(N2A-S4): N2.10 N3.12
Net-(N4-Pad11): N4.11 N4.12
Net-(N5A-I3): C5.6 N5.1
Net-(N8A-B): L9.11 N8.2
Net-(N8A-Cx): C92.2 N8.14
Net-(N8A-RCx): C92.1 N8.15 R2.2
Net-(N8B-RCx): N8.7 R3.2
Net-(N9A-!BO): N7.13 N9.13
Net-(Q1-C): Q1.3 R31.1
Net-(Q104-B): Q4.3 Q104.2 R19.2 R20.1
Net-(Q105-B): Q5.3 Q105.2 R16.2 R17.1
Net-(Q106-B): Q6.3 Q106.2 R14.2

Pads without a net: A1 1 2 3 4 5 6 7 9 10 11 12 13 14 15; A2 11; A3 5; A6 9; A7 4 5; A8 4 12; A9 9 13; B1 1 2 3 4 5 6 7 9 10 11 12 13 14 15; B3 4 5 6; B4 15; B5 12 13; C1 1 2 3 4 5 6 8 9 10; D3 6; D9 1 2 3 4 5 13; E8 5; F1 11 12; F4 5 9; F5 6; F6 12; F8 8; H5 5; H7 4 5 6; H8 6 8; H9 8; J4 5; J5 9 11 12; J7 3 11; J101 14 16 F K L M N R S X; J103 3; J104 3; K3 9 10 13; K5 6; K6 15; K8 6 8; K9 3 5; L5 6; L6 15; M2 4; M5 6; N2 9; N5 6; N8 4 5 6; N9 12; S2 1; S3 1; xB7 7; xB8 7; xC7 7; xC8 7; xF1 6 7; xK1 7; xL1 7; xN1 7

## Via types
v1: diameter 0.6, hole 0.3, Top to Bottom, 598 vias

## Routing (per net, layer and track width the routed paths; a pad name or vN(x,y) marks a point on that pad's centre or on a via; arc(x,y) is an arc through that point)
1V': length 31.1
  Top w0.305: M1.14 xM1.3
  Bottom w0.305: M1.14 26.67,177.8 44.45,177.8 M2.5
2V: length 29.9
  Bottom w0.305: M4.5 111.76,182.88 111.12,182.25 90.81,182.25 90.17,182.88 90.17,184.78 89.53,185.42 87.63,185.42 M3.3
2V': length 39.8
  Top w0.305: M1.13 xM1.4
  Bottom w0.305: M2.3 54.61,185.42 40.64,185.42 35.56,180.34 26.67,180.34 M1.13
4V: length 124.2
  Top w0.305: K4.12 116.84,149.22 115.57,150.5 115.57,180.34 114.3,181.61 M4.4 114.3,185.42 109.22,190.5 N4.9 ; v1(100.33,129.54) v1(100.33,142.24)
  Bottom w0.305: J4.10 105.41,129.54 v1(100.33,129.54) ; M3.6 81.28,186.69 111.76,186.69 M4.4 ; K4.12 114.3,143.51 105.41,143.51 104.14,142.24 v1(100.33,142.24)
4V': length 310.5
  Top w0.305: M1.12 xM1.5 ; v1(258.44,141.6) 257.81,142.24 v1(257.81,173.99) ; v1(215.9,173.99) 215.9,177.8 214.63,179.07 214.63,193.67 210.82,197.48 N7.2
  Bottom w0.305: M1.12 21.59,175.26 54.61,175.26 M2.14 58.42,173.99 v1(215.9,173.99) v1(257.81,173.99) ; S3.3 v1(258.44,141.6)
8V: length 307.9
  Top w0.305: D8.1 243.84,72.39 245.11,73.66 v1(245.11,107.95) ; M3.11 v1(83.82,179.07) ; v1(120.65,107.95) 120.65,141.6 119.38,142.88 K4.13 119.38,149.22 120.65,150.5 120.65,178.44 116.84,182.25 M4.3 116.84,185.42 111.76,190.5 N4.10
  Bottom w0.305: v1(120.65,107.95) v1(245.11,107.95) ; J4.9 106.68,133.35 v1(120.65,133.35) ; v1(83.82,179.07) v1(120.02,179.07)
8V': length 170.3
  Top w0.305: M1.11 xM1.6 ; M2.12 v1(50.8,172.72) ; v1(40.64,118.74) v1(40.64,71.12) ; H1.5 20.32,125.09 21.59,126.36 v1(21.59,172.08)
  Bottom w0.305: D2.5 49.53,71.12 v1(40.64,71.12) ; xM1.6 19.68,172.08 v1(21.59,172.08) 34.92,172.08 35.56,172.72 v1(50.8,172.72) ; v1(40.64,118.74) 40.01,119.38 24.13,119.38 H1.5
16V: length 197.6
  Top w0.305: N3.8 76.2,188.59 74.93,187.32 74.93,166.37 76.2,165.1 L3.10 76.2,158.12 73.66,155.57 v1(73.66,132.08) ; N5.11 139.7,188.59 138.43,187.32 138.43,181.61 139.7,180.34 M5.11 139.7,173.35 138.43,172.08 138.43,165.1 139.7,163.83 L5.11 139.7,158.12 138.43,156.84 138.43,150.5 139.7,149.22 K5.11
  Bottom w0.305: v1(73.66,132.08) 73.03,132.71 55.24,132.71 J2.11 ; N3.8 77.47,190.5 118.11,190.5 N4.13 120.65,193.04 138.43,193.04 N5.11
16V': length 478.7
  Top w0.305: A6.2 180.34,25.4 185.42,30.48 185.42,67.94 v1(184.78,68.58) ; J8.5 233.68,137.16 238.76,132.08 J8.14 H8.3 238.76,120.65 236.22,118.11 H8.11 ; N1.14 xN1.3 ; v1(41.91,194.94) v1(41.91,68.58) ; v1(224.79,69.21) v1(224.79,116.84)
  Bottom w0.305: H8.11 234.95,116.84 v1(224.79,116.84) ; v1(41.91,68.58) 52.07,68.58 D2.4 54.61,68.58 135.25,68.58 137.79,66.04 173.35,66.04 175.9,68.58 212.09,68.58 D7.1 214.63,68.58 224.16,68.58 v1(224.79,69.21) ; N2.5 50.8,198.12 47.62,194.94 v1(41.91,194.94) 27.3,194.94 25.4,193.04 N1.14
32V: length 281.4
  Top w0.305: N3.3 86.36,194.94 85.09,193.67 85.09,165.73 86.36,164.46 L3.14 86.36,157.48 85.09,156.21 85.09,134.62 86.36,133.35 J3.12 ; v1(69.85,127) 69.85,85.72 v1(68.58,84.45) ; v1(135.89,85.72) v1(135.89,71.75)
  Bottom w0.305: v1(135.89,71.75) 173.35,71.75 D6.4 ; J3.12 82.55,127 66.99,127 63.18,123.19 H2.1 ; E2.4 54.61,83.82 67.31,83.82 67.94,84.45 v1(68.58,84.45) 69.22,84.45 69.85,83.82 80.01,83.82 E3.5 82.55,86.36 135.25,86.36 v1(135.89,85.72)
